# Altium PCB eva01.PcbDoc (part 4 of 4)
Units mm, origin at the board's own origin, x right, y up, seen from the top; angles counter-clockwise.
Board outline 84 x 120 mm, 4 copper layers (Top Layer, Inner, GND, Bottom Layer), stack 1.668 mm thick; 205 components, 261 nets, 1028 pads, 1169 vias.
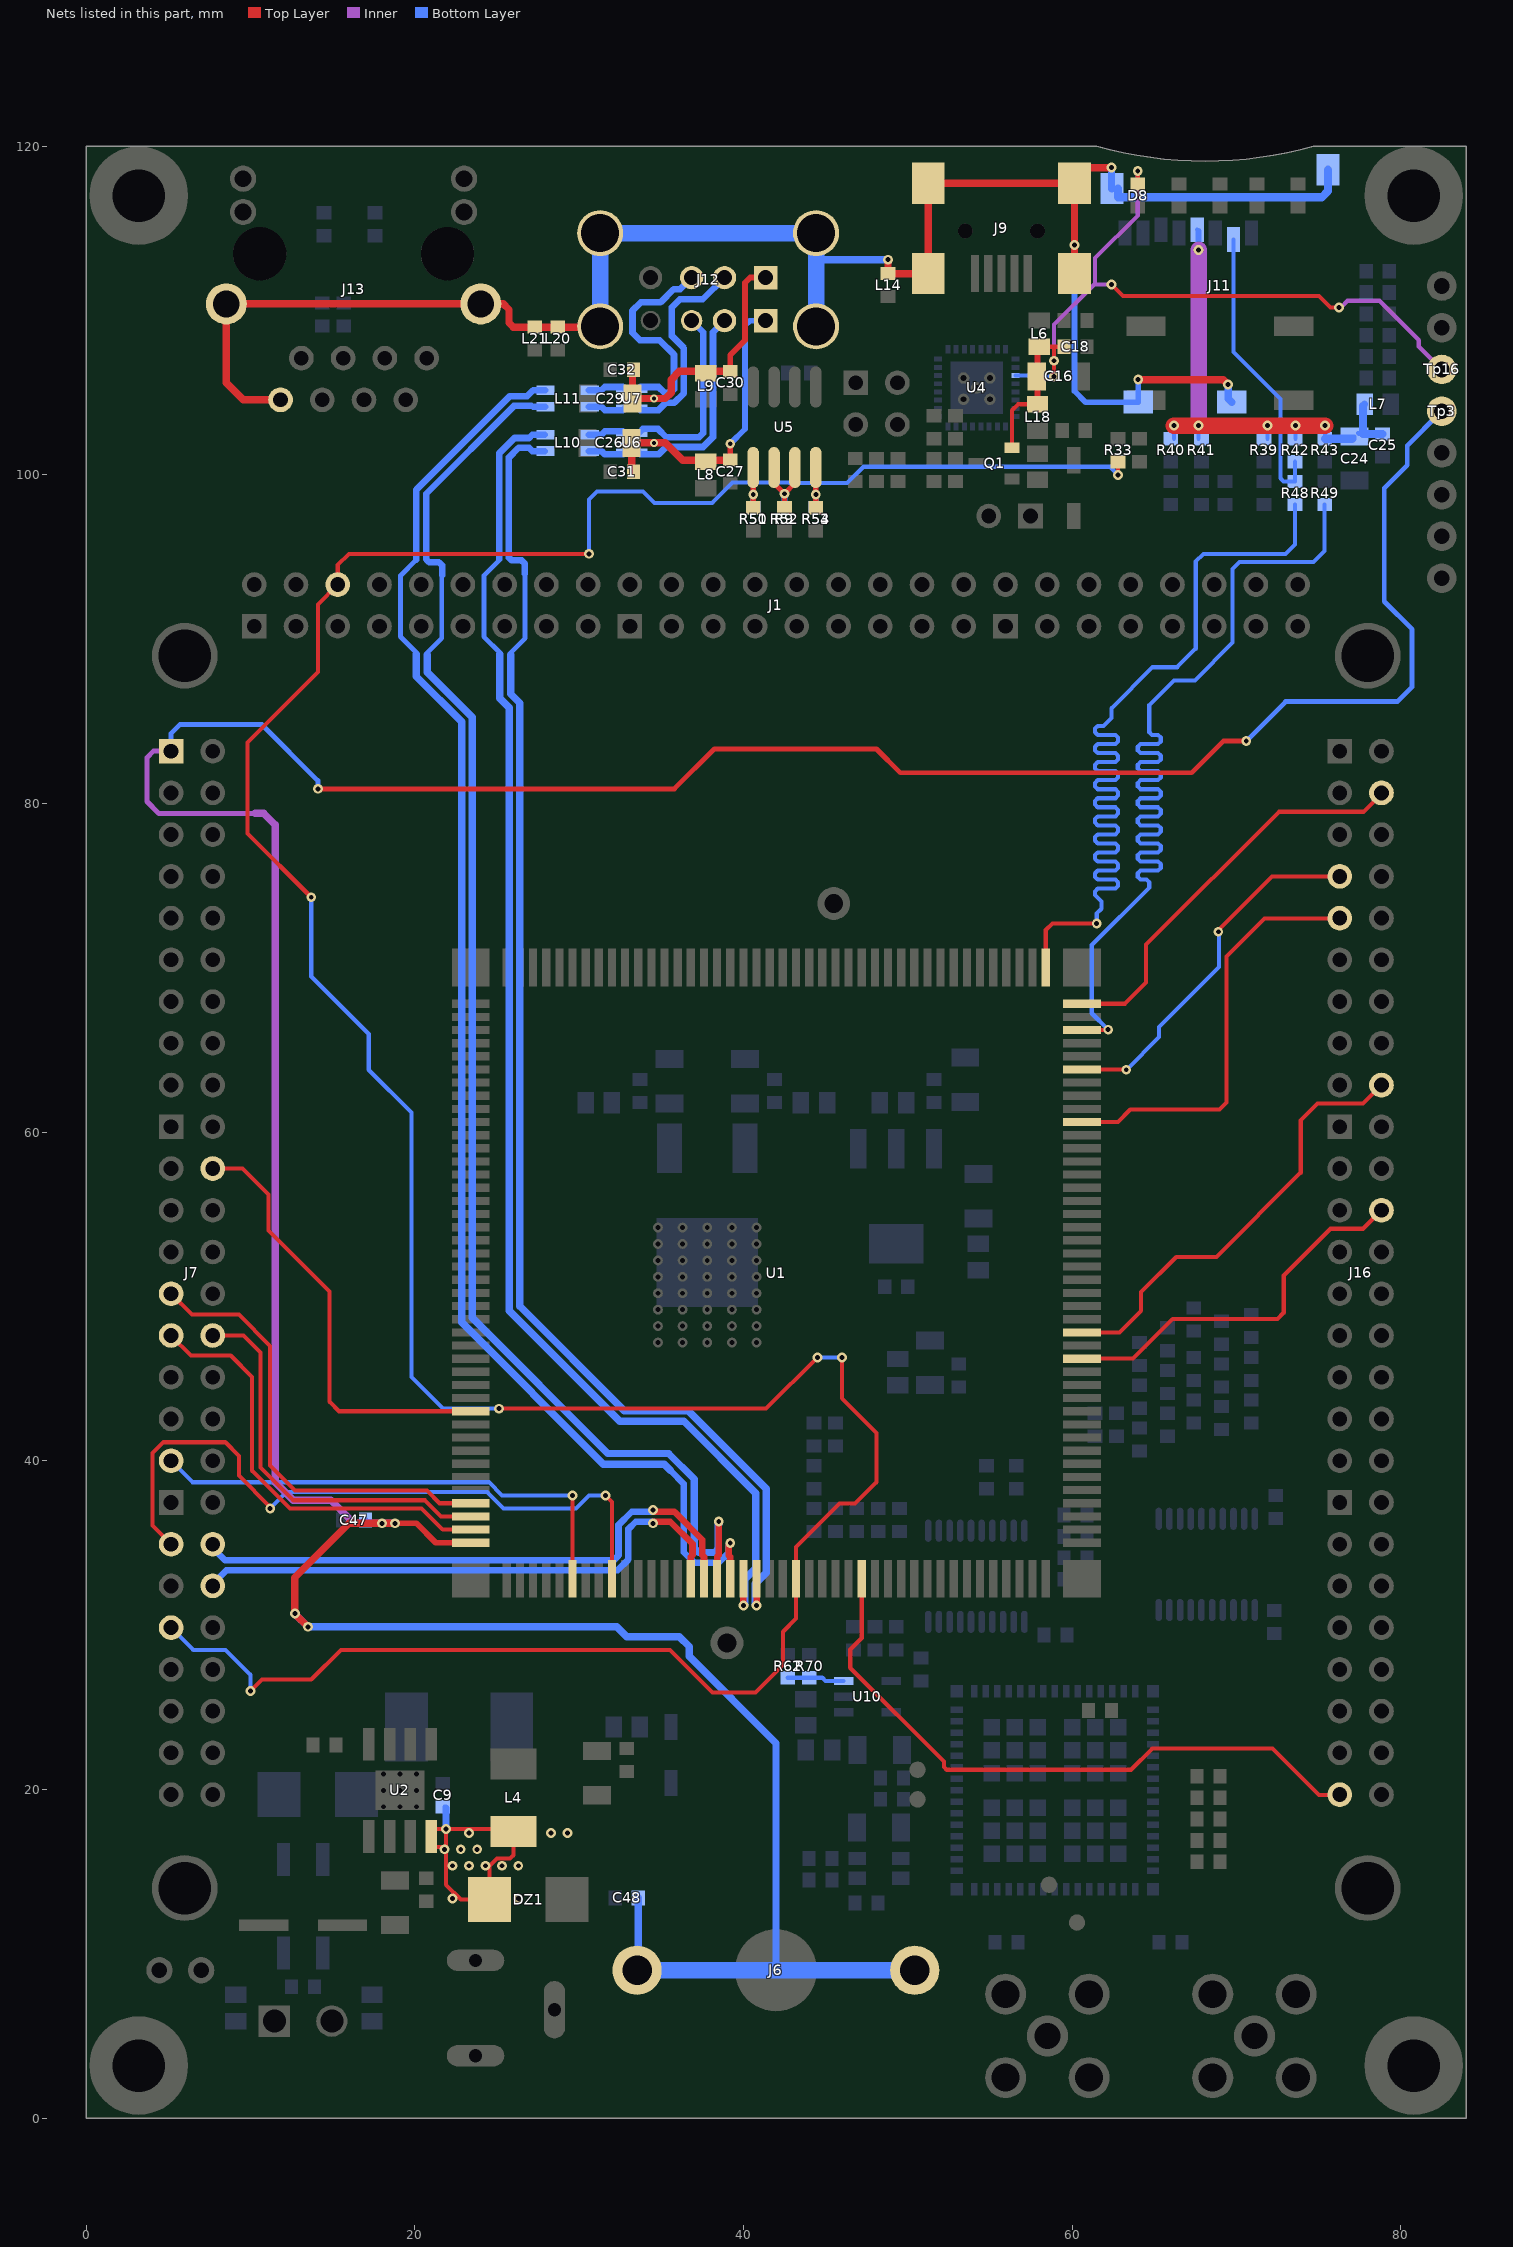
[diagram p6: the nets of this part, all layers, seen from the top]

## Via types
v1: diameter 0.6, hole 0.3, Top Layer to Bottom Layer, 1165 vias
v2: diameter 0.5, hole 0.25, Top Layer to Bottom Layer, 4 vias

## Nets (pads, with @x,y where several pads share a name; then routed paths per layer and width w, separated by ;. In a path a pad name is that pad's centre, name@x,y a point inside that pad or via, vN(x,y) a via of type N, cw(c..) or ccw(c..) an arc to the next point about the centre after c; other vN are vias at no path point) (continued)
PE22_TIOB4_MCI1_DA2_M19: R49.1 U1.40 | length 62.4
  Top Layer w0.25: U1.40@60.6,66.22 62.18,66.22 v1(62.2,66.24)
  Bottom Layer w0.25: v1(62.2,66.24) 61.2,67.24 61.2,71.4 64.7,74.9 64.7,75.21 64.535,75.375 64.165,75.375 64,75.54 64,75.76 64.165,75.925 65.235,75.925 65.4,76.09 65.4,76.31 65.235,76.475 64.165,76.475 64,76.64 64,76.86 64.165,77.025 65.235,77.025 65.4,77.19 65.4,77.41 65.235,77.575 64.165,77.575 64,77.74 64,77.96 64.165,78.125 65.235,78.125 65.4,78.29 65.4,78.51 65.235,78.675 64.165,78.675 64,78.84 64,79.06 64.165,79.225 65.235,79.225 65.4,79.39 65.4,79.61 65.235,79.775 64.165,79.775 64,79.94 64,80.16 64.165,80.325 65.235,80.325 65.4,80.49 65.4,80.71 65.235,80.875 64.165,80.875 64,81.04 64,81.26 64.165,81.425 65.235,81.425 65.4,81.59 65.4,81.81 65.235,81.975 64.165,81.975 64,82.14 64,82.36 64.165,82.525 65.235,82.525 65.4,82.69 65.4,82.91 65.235,83.075 64.165,83.075 64,83.24 64,83.46 64.165,83.625 65.235,83.625 65.4,83.79 65.4,84.01 65.235,84.175 64.865,84.175 64.7,84.34 64.7,86 66.2,87.5 67.475,87.5 69.775,89.8 69.775,94.275 70.2,94.7 74.7,94.7 75.375,95.375 R49.1@75.375,98.2
PE23_MCI1_DA3: J11.2 R42.2 R48.2 | length 17.9
  Bottom Layer w0.25: J11.2@69.815,114.325 69.815,107.492 72.675,104.632 72.675,99.8 72.875,99.6 R48.2@73.575,99.6 R42.2@73.575,100.8
PE23_TCLK4_MCI_DA3_L18: R48.1 U1.43 | length 62.1
  Top Layer w0.25: U1.43@58.4,70.02 58.4,72.3 58.8,72.7 v1(61.5,72.7)
  Bottom Layer w0.25: v1(61.5,72.7) 61.5,73.3 61.8,73.6 61.8,74.04 61.4,74.44 61.4,74.66 61.565,74.825 62.635,74.825 62.8,74.99 62.8,75.21 62.635,75.375 61.565,75.375 61.4,75.54 61.4,75.76 61.565,75.925 62.635,75.925 62.8,76.09 62.8,76.31 62.635,76.475 61.565,76.475 61.4,76.64 61.4,76.86 61.565,77.025 62.635,77.025 62.8,77.19 62.8,77.41 62.635,77.575 61.565,77.575 61.4,77.74 61.4,77.96 61.565,78.125 62.635,78.125 62.8,78.29 62.8,78.51 62.635,78.675 61.565,78.675 61.4,78.84 61.4,79.06 61.565,79.225 62.635,79.225 62.8,79.39 62.8,79.61 62.635,79.775 61.565,79.775 61.4,79.94 61.4,80.16 61.565,80.325 62.635,80.325 62.8,80.49 62.8,80.71 62.635,80.875 61.565,80.875 61.4,81.04 61.4,81.26 61.565,81.425 62.635,81.425 62.8,81.59 62.8,81.81 62.635,81.975 61.565,81.975 61.4,82.14 61.4,82.36 61.565,82.525 62.635,82.525 62.8,82.69 62.8,82.91 62.635,83.075 61.565,83.075 61.4,83.24 61.4,83.46 61.565,83.625 62.635,83.625 62.8,83.79 62.8,84.01 62.635,84.175 61.565,84.175 61.4,84.34 61.4,84.56 61.565,84.725 61.925,84.725 62.4,85.2 62.4,85.8 64.9,88.3 66.4,88.3 67.525,89.425 67.525,94.725 68,95.2 73,95.2 73.575,95.775 R48.1@73.575,98.2
PE24_RTS3_L19: J16.9 U1.33 | length 26
  Top Layer w0.25: U1.33@60.6,60.62 62.787,60.62 63.542,61.375 68.975,61.375 69.4,61.8 69.4,70.7 71.71,73.01 76.27,73.01 J16.9@76.29,73.03
PE25_SCK4_IRQ_M17: J16.7 U1.37 | length 22.6
  Top Layer w0.25: U1.37@60.6,63.82 63.28,63.82 v1(63.3,63.8) ; v1(68.9,72.2) 68.9,72.3 72.17,75.57 J16.7@76.29,75.57
  Bottom Layer w0.25: v1(63.3,63.8) 65.3,65.8 65.3,66.4 68.946,70.046 68.946,72.346 68.9,72.3 v1(68.9,72.2)
PE26_RXD4_L15: J16.24 U1.15 | length 23.3
  Top Layer w0.25: U1.15@60.6,46.22 63.72,46.22 66.125,48.625 72.494,48.625 72.884,49.016 72.884,51.291 75.718,54.125 77.705,54.125 J16.24@78.83,55.25
PE27_TXD4_M16: J16.18 U1.17 | length 27
  Top Layer w0.25: U1.17@60.6,47.82 62.887,47.82 64.2,49.133 64.2,50.271 66.34,52.411 68.789,52.411 73.915,57.536 73.915,60.715 74.945,61.745 77.705,61.745 J16.18@78.83,62.87
PE28_RTS4_L17: J16.4 U1.42 | length 24.9
  Top Layer w0.25: U1.42@60.6,67.82 63.22,67.82 64.5,69.1 64.5,71.414 72.586,79.5 77.74,79.5 J16.4@78.87,80.63
PE29_DIBP_URXD0_TWD1_V1: J7.27 U1.123 | length 27.8
  Top Layer w0.25: J7.27@5.17,50.17 6.44,48.9 9.3,48.9 11.2,47 11.2,39.714 12.714,38.2 20.734,38.2 21.514,37.42 U1.123@23.4,37.42
PE30_DIBN_UTXD0_TWCK1_U2: J7.29 U1.125 | length 26.5
  Top Layer w0.25: J7.29@5.17,47.61 6.38,46.4 8.8,46.4 10.1,45.1 10.1,39.4 12.4,37.1 20.42,37.1 21.7,35.82 U1.125@23.4,35.82
PE31_ADTRG_L4: J7.22 U1.116 | length 27
  Top Layer w0.25: J7.22@7.71,57.79 9.51,57.79 11.1,56.2 11.1,54.014 14.8,50.314 14.8,43.6 15.38,43.02 U1.116@23.4,43.02
PIOBU0_U3: J7.39 U1.135 | length 42.7
  Top Layer w0.25: J7.39@5.17,34.93 4.045,36.055 4.045,40.476 4.704,41.135 8.465,41.135 9.3,40.3 9.3,39.1 11.2,37.2 v1(11.2,37.1) ; v1(31.6,37.9) 32,37.5 U1.135@32,32.82
  Bottom Layer w0.25: v1(11.2,37.1) 12.2,38.1 24.407,38.1 25.407,37.1 29.8,37.1 30.6,37.9 v1(31.6,37.9)
PIOBU1: J16.51 U1.154 | length 40
  Top Layer w0.25: U1.154@47.2,32.82 47.2,31.3 47.2,29.225 46.5,28.525 46.5,27.407 52.2,21.707 52.2,21.372 52.372,21.2 58.723,21.2 63.583,21.2 64.883,22.5 72.2,22.5 75.03,19.67 76.27,19.67 J16.51@76.29,19.69
RESET: J1.6 J7.43 R33.2 U1.149 | length 202.3
  Top Layer w0.25: v1(10,26) 10.7,26.7 13.7,26.7 15.5,28.5 35.528,28.5 38.128,25.9 40.731,25.9 42.4,27.569 42.4,29.6 43.2,30.4 U1.149@43.2,32.82 43.2,34.755 45.845,37.4 46.8,37.4 48.1,38.7 48.1,41.707 46,43.807 v1(46,46.3) ; v1(13.7,74.3) 9.825,78.175 9.825,83.725 14.1,88 14.1,92.12 J1.6@15.31,93.33 15.31,94.51 16,95.2 v1(30.6,95.2) ; v1(25.125,43.175) 41.375,43.175 v1(44.5,46.3) ; v1(62.8,100) R33.2@62.8,100.8
  Bottom Layer w0.25: J7.43@5.17,29.85 6.52,28.5 8.48,28.5 10,26.98 v1(10,26) ; v1(13.7,74.3) 13.7,69.478 17.2,65.978 17.2,63.8 19.8,61.2 19.8,45.1 21.725,43.175 v1(25.125,43.175) ; v1(30.6,95.2) 30.6,98.5 31.1,99 33.9,99 34.6,98.3 38.1,98.3 39.33,99.53 42.78,99.53 42.81,99.5 46.3,99.5 47.3,100.5 62.3,100.5 v1(62.8,100) ; v1(44.5,46.3) v1(46,46.3)
SHDN_T2: J7.30 U1.124 | length 24.3
  Top Layer w0.25: J7.30@7.71,47.63 9.57,47.63 10.6,46.6 10.6,39.607 12.607,37.6 20.627,37.6 21.607,36.62 U1.124@23.4,36.62
SHLD: J9.Z1 J9.Z2 J9.Z3 J9.Z4 J11.Z1 J11.Z2 J11.Z3 J11.Z4 J12.Z1 J12.Z2 J12.Z3 J12.Z4 J13.8 J13.15 J13.16 L14.1 L20.1 L21.1 | length 125
  Top Layer w0.25: J12.Z2@31.24,109 J12.Z2@31.28,109.04
  Top Layer w0.45: J13.8@11.83,104.57 9.565,104.57 8.53,105.605 J13.15@8.53,110.41 J13.16@24.02,110.41 25.39,110.41 25.733,110.067 25.733,109.267 26,109 L21.1@27.3,109 L20.1@28.7,109 J12.Z2@31.24,109 ; v1(48.8,113.1) L14.1@48.8,112.25 J9.Z2@51.25,112.25 J9.Z3@51.25,117.75 J9.Z4@60.15,117.75 ; J9.Z1@60.15,112.25 v1(60.15,114) J9.Z4@60.15,117.75 ; v1(62.4,118.7) 60.15,118.7 J9.Z4@60.15,117.75 ; v1(64.025,105.8) 69.2,105.8 v1(69.5,105.5)
  Bottom Layer w0.35: v1(60.15,114) 60.15,105.1 60.825,104.425 J11.Z4@64.025,104.425 v1(64.025,105.8)
  Bottom Layer w0.45: 44.42,113.1 v1(48.8,113.1) ; v1(62.4,118.7) 62.4,117.45 J11.Z2@62.425,117.425 ; v1(69.5,105.5) 69.5,104.64 J11.Z3@69.715,104.425
  Bottom Layer w0.5: J11.Z2@62.8,117.425 62.8,116.9 75.2,116.9 75.575,117.275 J11.Z1@75.575,118.575
  Bottom Layer w1: J12.Z4@31.25,114.68 J12.Z4@31.28,114.71 ; J12.Z4@31.25,114.78 31.28,114.75 J12.Z4@31.28,114.72 J12.Z4@31.28,114.71 ; J12.Z2@31.28,109.04 J12.Z4@31.28,114.71 ; J12.Z4@31.29,114.72 J12.Z3@44.42,114.72 44.42,113.1 J12.Z1@44.42,109.04
SW_5V: C9.2 DZ1.1 L4.1 U2.8 | length 20.3
  Top Layer w0.25: U2.8@20.9,16.5 v1@21.9,16.5 ; U2.8@21.005,17.15 21.005,17.555 21.05,17.6 v1(21.9,17.6) ; v1@21.9,17.7 v1(21.9,17.6) ; L4.1@26.349,17.1 L4.1@26,17.45 ; v1@21.9,16.5 v1(21.9,17.6) ; v1@21.9,16.5 21.9,14.2 22.8,13.3 DZ1.1@24.55,13.3 24.55,15.351 24.7,15.5 25,15.8 25.8,15.8 26,16 L4.1@26,17.45 ; v1(21.9,17.6) 25.85,17.6 L4.1@26,17.45
  Bottom Layer w0.25: C9.2@21.8,18.95 C9.2@21.9,18.85 ; v1(21.9,17.6) 21.8,17.6 v1@21.9,17.7
  Bottom Layer w0.45: v1@21.9,17.7 C9.2@21.9,18.85
  other v1: 22.299,13.359 26.299,13.359 22.299,15.359 23.299,15.359 24.299,15.359 25.299,15.359 26.299,15.359 21.799,16.359 22.799,16.359 23.799,16.359 23.299,17.359 28.299,17.359 29.299,17.359
U1_N: J12.A2 L10.2 U6.1 U6.6 | length 15.6
  Bottom Layer w0.4: L10.2@30.6,101.45 L10.2@30.65,101.45 31.36,101.45 31.56,101.25 32.5,101.25 32.663,101.25 32.682,101.268 32.863,101.45 33.537,101.45 33.718,101.268 33.737,101.25 33.9,101.25 34.84,101.25 35.29,101.7 37.549,101.7 38.15,102.301 38.15,108.69 J12.A2@38.85,109.39
U1_P: J12.A3 L10.3 U6.3 U6.4 | length 14.7
  Bottom Layer w0.4: L10.3@30.6,102.45 L10.3@30.65,102.45 31.36,102.45 31.56,102.65 32.5,102.65 32.663,102.65 32.682,102.632 32.863,102.45 33.537,102.45 33.718,102.632 33.887,102.8 33.9,102.8 34.8,102.8 35.3,102.3 37.3,102.3 37.55,102.55 37.55,108.69 J12.A3@36.85,109.39
U2_N: J12.B2 L11.2 U7.1 U7.6 | length 15.9
  Bottom Layer w0.4: L11.2@30.6,104.15 L11.2@30.65,104.15 31.36,104.15 31.56,103.95 32.5,103.95 32.663,103.95 32.682,103.968 32.863,104.15 33.537,104.15 33.718,103.968 33.737,103.95 33.9,103.95 34.84,103.95 35.29,104.4 35.8,104.4 36.376,104.976 36.376,107.723 35.65,108.449 35.65,110.2 36.14,110.69 37.53,110.69 J12.B2@38.85,112.01
U2_P: J12.B3 L11.3 U7.3 U7.4 | length 16.6
  Bottom Layer w0.4: L11.3@30.6,105.15 L11.3@30.65,105.15 31.36,105.15 31.56,105.35 32.5,105.35 32.663,105.35 32.682,105.332 32.863,105.15 33.537,105.15 33.718,105.332 33.737,105.35 33.9,105.35 34.84,105.35 35.19,105 35.551,105 35.776,105.224 35.776,107.324 34.9,108.2 33.7,108.2 33.25,108.65 33.25,110 33.75,110.5 34.95,110.5 35.75,111.3 36.14,111.3 J12.B3@36.85,112.01
USB1_EN: R50.2 R51.2 U5.1 | length 3.3
  Top Layer w0.35: U5.1@40.595,100.45 40.6,100.445 R51.2@40.6,98
  Bottom Layer w0.35: R50.2@40.6,98 v1(40.6,98.8)
USB1_N: L11.1 U1.143 | length 91.2
  Top Layer w0.4: U1.143@38.4,32.82 38.4,34.17 38.5,34.27 38.5,35.8 ; 38.5,34.97 38.5,35.8 ; v1(38.5,36.3) 38.5,36.1 38.5,35.8
  Bottom Layer w0.3: 20.75,89.07 20.7,89.12 21.64,90.06 21.64,93.868
  Bottom Layer w0.4: 21.67,93.888 21.67,94.488 21.47,94.688 20.87,94.688 20.7,94.858 20.7,98.86 26.04,104.2 27.099,104.2 ; 27.2,104.15 L11.1@27.95,104.15
  Bottom Layer w0.45: 20.75,89.07 20.75,88 23.5,85.25 23.5,48.7 31.75,40.45 35.444,40.45 37,38.894 37,34.7 37.275,34.425 38.241,34.425 38.475,34.659 38.475,36.125 38.5,36.15 v1(38.5,36.3)
USB1_P: L11.4 U1.144 | length 90.9
  Top Layer w0.4: U1.144@39.2,32.82 39.2,34.17 39.1,34.27 39.1,34.9 v1(39.2,35)
  Bottom Layer w0.3: 20.1,89.08 20.15,89.13 19.128,90.152 19.128,93.872 20.1,94.843
  Bottom Layer w0.4: 20.1,94.843 20.1,99.109 25.791,104.8 26.85,104.8 27.2,105.15 L11.4@27.95,105.15 ; 35.552,39.423 36.375,38.6 36.375,34.441 37.016,33.8 38.5,33.8 39.1,34.4 39.1,34.9 v1(39.2,35)
  Bottom Layer w0.45: 20.1,89.08 20.1,87.731 22.85,84.981 22.85,48.431 31.481,39.8 35.175,39.8 35.552,39.423
USB2_EN: R53.2 R54.2 U5.4 | length 3.2
  Top Layer w0.35: R54.2@44.405,98.005 U5.4@44.405,100.45
  Bottom Layer w0.35: R53.2@44.405,98.005 v1(44.405,98.805)
USB2_N: L10.1 U1.146 | length 84.2
  Top Layer w0.4: v1(40.8,31.2) U1.146@40.8,32.82
  Bottom Layer w0.3: 25.83,89.07 25.78,89.12 26.72,90.06 26.72,94
  Bottom Layer w0.4: 26.7,94 26.7,94.6 26.5,94.8 25.9,94.8 25.73,94.97 25.73,101.062 26.318,101.65 26.95,101.65 27.15,101.45 L10.1@27.9,101.45
  Bottom Layer w0.45: 25.83,89.07 25.83,86.67 26.4,86.1 26.4,49.4 32.75,43.05 36.65,43.05 41.4,38.3 41.4,33.2 40.725,32.525 40.725,31.275 v1(40.8,31.2)
USB2_P: L10.4 U1.145 | length 84.8
  Top Layer w0.4: v1(40,31.2) U1.145@40,32.82
  Bottom Layer w0.3: 25.18,89.08 25.23,89.13 24.208,90.152 24.208,93.872 25.18,94.843
  Bottom Layer w0.4: 25.13,94.858 25.13,101.31 26.07,102.25 26.95,102.25 27.15,102.45 L10.4@27.9,102.45
  Bottom Layer w0.45: 25.18,89.08 25.18,86.401 25.75,85.831 25.75,49.131 32.481,42.4 36.381,42.4 40.75,38.031 40.75,33.469 40.075,32.794 40.075,31.275 v1(40,31.2)
USB_OTG_N: J7.42 U1.141 | length 34.8
  Top Layer w0.4: v1(34.5,36.2) 34.6,36.3 35.551,36.3 36.9,34.951 36.9,34.27 36.8,34.17 U1.141@36.8,32.82
  Bottom Layer w0.4: J7.42@7.71,32.39 7.71,32.51 8.54,33.34 32.34,33.34 33,34 33,35.851 33.449,36.3 34.4,36.3 v1(34.5,36.2)
USB_OTG_P: J7.40 U1.142 | length 35.9
  Top Layer w0.4: v1(34.5,37) 34.6,36.9 35.8,36.9 37.5,35.2 37.5,34.27 37.6,34.17 U1.142@37.6,32.82
  Bottom Layer w0.4: J7.40@7.71,34.93 7.71,34.69 8.46,33.94 32.091,33.94 32.4,34.249 32.4,36.1 33.2,36.9 34.4,36.9 v1(34.5,37)
USB_OVCUR: R9.2 R52.2 U5.2 U5.3 | length 5.4
  Top Layer w0.3: U5.2@41.865,100.45 41.865,99.49 v1(42.5,98.855) ; R52.2@42.5,98 v1(42.5,98.855) ; U5.3@43.135,100.45 43.135,99.49 v1(42.5,98.855)
  Bottom Layer w0.35: R9.2@42.5,98.055 v1(42.5,98.855)
VBATT: C47.2 C48.2 J6.P1 J6.P2 J7.1 Tp3.1 U1.126 | length 247.7
  Top Layer w0.3: v1(14.1,80.9) 35.8,80.9 38.225,83.325 48.096,83.325 49.546,81.875 67.275,81.875 69.2,83.8 v1(70.6,83.8)
  Top Layer w0.35: v1(18.8,36.2) 20.1,36.2 21.28,35.02 U1.126@23.4,35.02
  Top Layer w0.45: v1(13.5,29.9) v1(12.7,30.7) 12.7,32.9 16,36.2 v1(18,36.2) v1(18.8,36.2)
  Inner w0.3: J7.1@5.17,83.19 4.09,83.19 3.7,82.8 3.7,80.123 4.423,79.4 10.3,79.4
  Inner w0.45: 10.3,79.4 10.8,79.4 11.5,78.7 11.5,38.707 12.607,37.6 14.9,37.6 16.3,36.2 v1(18,36.2) v1(18.8,36.2)
  Bottom Layer w0.3: J7.1@5.17,83.19 5.17,84.27 5.7,84.8 10.7,84.8 14.1,81.4 v1(14.1,80.9) ; v1(70.6,83.8) 73,86.2 79.8,86.2 80.7,87.1 80.7,90.6 79,92.3 79,99.2 80.4,100.6 80.4,101.78 Tp3.1@82.395,103.775 ; Tp3.1@82.395,103.775 Tp3.1@82.5,103.88 82.5,103.775 Tp3.1@82.395,103.775
  Bottom Layer w0.35: C47.2@17,36.4 17.2,36.2 v1(18,36.2)
  Bottom Layer w0.45: v1(12.7,30.7) v1(13.5,29.9) 32.3,29.9 32.9,29.3 36.1,29.3 36.7,28.7 36.7,28.1 41.98,22.82 41.98,9 ; J6.P2@33.53,9 33.6,9.07 C48.2@33.6,13.4
  Bottom Layer w1: J6.P2@33.53,9 41.98,9 J6.P1@50.43,9
VBUS1: C26.1 C27.1 C31.2 J12.A1 L8.1 U6.5 | length 19.2
  Top Layer w0.25: J12.A1@41.15,109.19 J12.A1@41.35,109.39
  Top Layer w0.35: C27.1@39.2,100.9 v1(39.2,101.9)
  Top Layer w0.45: C31.2@33.3,100.2 33.2,100.3 C26.1@33.2,101.95 v2(34.55,101.95) 35.25,101.95 36.3,100.9 C27.1@39.2,100.9
  Bottom Layer w0.25: U6.5@33.85,101.95 v2(34.55,101.95)
  Bottom Layer w0.35: v1(39.2,101.9) 40.1,102.8 40.1,109.1 40.39,109.39 J12.A1@41.35,109.39
VBUS2: C29.1 C30.1 C32.2 J12.B1 L9.1 U7.5 | length 16.7
  Top Layer w0.35: C30.1@39.2,106.3 39.2,107.3 40.1,108.2 40.1,111.7 40.41,112.01 J12.B1@41.35,112.01
  Top Layer w0.45: C32.2@33.3,106.4 33.25,106.35 C29.1@33.25,104.65 v2(34.55,104.65) 35.25,104.65 35.6,105 35.6,105.8 36.1,106.3 C30.1@39.2,106.3
  Bottom Layer w0.25: U7.5@33.85,104.65 v2(34.55,104.65)
VCC_USB: C16.1 C18.1 D8.1 L6.1 L18.2 Q1.2 Tp16.1 U4.19 | length 51.6
  Top Layer w0.25: Q1.2@56.338,101.65 56.338,103.938 56.7,104.3 L18.2@57.9,104.3 ; L6.1@58,107.8 58.9,107.8 ; v1(58.9,106) v1(58.9,106.95) 58.9,107.8 ; C18.1@59.5,107.8 58.9,107.8 ; v1(62.4,111.6) 63.1,110.9 75.022,110.9 75.722,110.2 v1(76.256,110.2) ; D8.1@64,117.7 v1(64,118.5)
  Top Layer w0.35: C16.1@57.85,106 C16.1@57.9,106.05 ; L18.2@57.9,104.3 C16.1@57.9,106.05 ; L6.1@58,107.8 57.9,107.7 C16.1@57.9,106.05
  Inner w0.25: v1(58.9,106.95) 58.9,109.15 61.35,111.6 61.4,111.6 ; v1(62.4,111.6) 61.4,111.6 ; v1(64,118.5) 64,115.8 61.4,113.2 61.4,111.6 ; v1(76.256,110.2) 76.354,110.2 76.755,110.6 78.7,110.6 81.1,108.2 81.1,107.82 Tp16.1@82.5,106.42
  Bottom Layer w0.25: U4.19@56.55,106.05 57.9,106.05 57.95,106 v1(58.9,106)
VDD_SD: C24.1 C25.1 J11.4 L7.2 R39.1 R40.1 R41.1 R42.1 R43.1 | length 30.4
  Top Layer w1: v1(66.2,103) v1(67.7,103) v1(71.9,103) v1(73.6,103) v1(75.4,103)
  Inner w1: v1(67.7,103) v1(67.7,113.7)
  Bottom Layer w0.25: R40.1@66.2,102.2 v1(66.2,103) ; J11.4@67.615,114.925 J11.4@67.7,114.84 ; R41.1@67.7,102.2 v1(67.7,103) ; v1(67.7,113.7) 67.63,113.7 v1@67.7,113.77 ; R39.1@71.9,102.2 v1(71.9,103) ; R42.1@73.6,102.2 v1(73.6,103) ; R43.1@75.375,102.2 75.4,102.2 v1(75.4,103) ; C24.1@77.05,102.2 C24.1@77.2,102.35 ; C24.1@77.4,102.55 77.45,102.5 C24.1@77.7,102.5
  Bottom Layer w0.35: v1@67.7,113.77 J11.4@67.7,114.84
  Bottom Layer w0.45: L7.2@77.7,104.2 L7.2@77.8,104.3
  Bottom Layer w0.5: R43.1@75.4,102.2 C24.1@77.05,102.2 ; C24.1@77.7,102.5 L7.2@77.7,104.2 ; C24.1@77.8,102.5 C25.1@78.9,102.5
WKUP_V3: J7.35 U1.132 | length 30.4
  Top Layer w0.25: U1.132@29.575,32.845 U1.132@29.6,32.82 v1(29.6,37.9)
  Bottom Layer w0.25: J7.35@5.17,40.01 6.48,38.7 24.514,38.7 25.314,37.9 v1(29.6,37.9)
WLAN_PWR: R62.2 R70.2 U10.3 | length 3.5
  Bottom Layer w0.25: R62.2@42.7,26.8 R70.2@44,26.8 44.8,26.8 45,26.6 U10.3@46.1,26.6
pads on no net: J9. J9.4 J13.7 J13.13 J13.14 R10.1 U1.82 U1.83 U1.84 U1.85 U1.86 U1.87 U1.88 U1.89 U1.90 U1.91 U1.92 U1.H U2.2 U2.5 U4.3 U4.5 U4.6 U4.7 U4.8 U4.9 U4.10 U4.12 U4.13 U4.18 U4.21 U4.22 U4.23 U4.25 U4.27 U4.28 U4.29 U4.31 U4.32 U9.2 U9.3 U9.4 U9.5 U9.21 U9.22 U9.25 U9.56 U9.57 U9.58 U9.60 U9.62

## Polygon pours and split planes (outlines as drawn)
GND on Top Layer "gnd" (solid, remove dead copper, pour order 76): 0.2,0.2 83.8,0.2 83.8,119.8 75,119.8 cw(c68.151,143.473) 61.3,119.8 0.2,119.8
VCC_USB on Top Layer "vusb" (solid, remove dead copper, pour order 71): 56.3,108.6 60.1,108.6 60.2,108.5 60.2,103.9 59.9,103.6 57.2,103.6 57,103.4 57,103.2 57,101.2 56.9,101.1 56,101.1 55.9,101.1 55.8,101.2 55.8,108.1
+3.3V_MOD on Top Layer "+3.3v_mod" (solid, remove dead copper, pour order 72): 48.6,44.1 48.6,43.5 48.6,43 48.9,42.7 49.4,42.7 50,42.7 50.3,42.7 50.6,42.4 50.6,36.9 52.1,35.4 52.8,34.7 52.8,31.7 55.3,31.7 55.3,36 55.1,36.2 52.8,38.5 52.8,42 52.8,42.3 53.2,42.7 53.7,42.7 53.9,42.9 54,43 54,44 54,44.1 53.8,44.3 48.8,44.3
+24V on Top Layer "+24v" (solid, remove dead copper, pour order 75): 8,10 13.2,10 13.2,13.1 21.3,13.1 21.3,18.5 14.1,18.5 14.1,21.8 6.44,21.8 6.44,17 8,17
+5V_OUT on Top Layer "+5v_out" (solid, remove dead copper, pour order 74): 34,26.4 34,19.7 21.1,19.7 21.1,19.9 21.1,26.4
SW_5V on Top Layer "sw" (solid, remove dead copper, pour order 73): 20.7,19.4 20.7,11.2 26.9,11.2 26.9,15 27.9,16 29.6,16 29.6,19.4
GND on Inner "gnd" (solid, remove dead copper, pour order 79): 32.5,55.5 43,55.5 43,44.5 32.75,44.5 32.5,44.75
GND on Inner "gnd" (solid, remove dead copper, pour order 81): 51.75,27.25 66,27.25 66.25,27 66.25,9.75 51.75,9.75
+3.3V on Inner "+3.3v" (solid, remove dead copper, pour order 84): 38.75,17.5 45,17.5 45,34 45.25,34.25 48.5,34.25 48.75,34.5 48.75,37.25 48.75,38 53.25,38 53.25,44.25 53.25,53.25 53.5,53.5 57,53.5 58.5,53.5 59,53 59,44.25 58.5,43.75 57.75,43 57.75,38.75 57.75,36 58.75,35 59.75,34 73.75,34 79.25,34 80,34.75 80,96.25 81.25,97.5 83.8,97.5 83.8,100 83.8,112.45 83.75,112.5 76.5,112.5 76.5,97.5 75.25,96.25 52.5,96.25 51.5,97.25 41.5,97.25 41.25,97 40.25,96 37.75,96 37.75,18.5
+3.3V on Inner "+3.3v" (solid, remove dead copper, pour order 82): 33.75,97.75 33.75,99 27,99 27,108.25 6.44,108.25 6.44,92.06 11.75,92.06 11.75,97.75
+5V on Inner "+5v" (solid, remove dead copper, pour order 85): 37.5,17.5 38.25,17.5 38.75,18 38.75,27 38.75,94.75 40.25,96.25 41.25,97.25 51.25,97.25 52.75,95.75 54.5,95.75 56.25,95.75 56.75,96.25 56.75,103.5 56.5,103.75 56.25,104 51.25,104 50.75,104.5 50.75,108 50.5,108.25 36.75,108.25 27,108.25 27,97.8 2.5,97.8 2.5,96.25 2.5,18.5 3.5,17.5
+5V_OUT on Inner "+5v_out" (solid, remove dead copper, pour order 78): 34,26.9 34,19.7 21.1,19.7 21.1,19.9 21.1,26.9
SW_5V on Inner "sw" (solid, remove dead copper, pour order 77): 20.1,19.5 20.1,11.2 26.9,11.2 26.9,15 27.9,16 29.6,16 29.6,19.5
+24V on Inner "+24v" (solid, remove dead copper, pour order 80): 8,10 13.2,10 13.2,13.1 21.3,13.1 21.3,18.5 14.1,18.5 14.1,21.8 6.44,21.8 6.44,17 8,17
+1.8V on Inner "+1.8V" (solid, remove dead copper, pour order 83): 79.75,90.75 80.2,33.594 65.55,33.65 65.55,35.6 58.9,35.6 58.9,52.6 52.1,52.6 52.1,50.1 53.4,50.1 53.4,38 48.25,38 48.25,18.3 47.25,17.3 47.25,14.5 48,13.75 82.4,13.75 82.5,97.75 77.56,97.75 77.56,92.94
GND on Inner "gnd" (solid, remove dead copper, pour order 86): 0.2,0.2 83.8,0.2 83.8,119.8 75,119.8 cw(c68.151,143.473) 61.3,119.8 0.2,119.8
VCC_USB on Bottom Layer "vusb" (solid, remove dead copper, pour order 87): 56.3,108.6 60.1,108.6 60.2,108.5 60.2,103.9 59.9,103.6 57.2,103.6 57,103.4 57,103.2 57,101.2 56.9,101.1 56,101.1 55.9,101.1 55.8,101.2 55.8,108.1
+5V_OUT on Bottom Layer "+5v_out" (solid, remove dead copper, pour order 90): 34,26.9 34,19.7 21.1,19.7 21.1,19.9 21.1,26.9
SW_5V on Bottom Layer "sw" (solid, remove dead copper, pour order 89): 20.1,19.5 20.1,11.2 26.9,11.2 26.9,15 27.9,16 29.6,16 29.6,19.5
+24V on Bottom Layer "+24v" (solid, remove dead copper, pour order 92): 8,10 13.2,10 13.2,13.1 20,13.1 20,18.5 14.1,18.5 14.1,21.8 6.44,21.8 6.44,17 8,17
NetC50_1 on Bottom Layer "+1.8_pre" (solid, remove dead copper, pour order 88): 48.2,60.5 50.8,60.5 50.8,57.2 51,57 52.1,57 52.5,56.6 53.5,55.6 55.3,55.6 55.3,52.4 53.2,52.4 52.9,52.1 52.9,50.3 52.4,49.8 49.7,49.8 49.6,49.9 49.4,50.1 49.4,51.3 49.2,51.5 45.8,51.5 45.8,56.3 46.1,56.6 46.5,57 47.9,57 48.2,57.3
SW_5V on Bottom Layer "sw" (solid, remove dead copper, pour order 91): 25.5,11 32,11 32,19.7 21.5,19.7 21.1,19.7 21.1,11
GND on Bottom Layer "gnd" (solid, remove dead copper, pour order 93): 0.2,0.2 83.8,0.2 83.8,119.8 75,119.8 cw(c68.151,143.473) 61.3,119.8 0.2,119.8
+3.3V on GND (split plane): 50.648,96.102 47.352,96.102 47.352,97.148 50.648,97.148
+1.8V on GND (split plane): 49.648,94.852 46.352,94.852 46.352,95.898 49.648,95.898
+3.3V on GND (split plane): 49.173,62.3 49.173,60.527 43.927,60.527 43.927,64.073 49.173,64.073
+5V on GND (split plane): 37.173,18.427 34.227,18.427 34.227,20.873 37.173,20.873
+5V on GND (split plane): 31.273,59.727 28.327,59.727 28.327,63.973 31.273,63.973
+5V_OUT on GND (split plane): 33.773,25.4 33.773,21.327 29.8,21.327 29.741,21.319 29.687,21.297 29.64,21.26 29.603,21.213 29.581,21.159 29.573,21.1 29.573,18.827 22.727,18.827 22.727,19.3 22.719,19.359 22.697,19.413 22.66,19.46 22.613,19.497 22.559,19.519 22.5,19.527 21.127,19.527 21.127,25.773 33.773,25.773
SW_5V on GND (split plane): 22.273,18.6 22.281,18.541 22.303,18.487 22.34,18.44 22.387,18.403 22.441,18.381 22.5,18.373 29.573,18.373 29.573,18 29.573,16.227 28,16.227 27.941,16.219 27.887,16.197 27.84,16.16 27.803,16.113 27.781,16.059 27.773,16 27.773,11.227 22.027,11.227 22.027,15.5 22.019,15.559 21.997,15.613 21.96,15.66 21.913,15.697 21.859,15.719 21.8,15.727 21.127,15.727 21.127,19.073 22.273,19.073
GND on GND (split plane): 83.748,0.252 0.252,0.252 0.252,119.748 61.473,119.748 61.881,119.637 62.56,119.472 63.243,119.326 63.93,119.199 64.62,119.092 65.312,119.004 66.007,118.935 66.704,118.887 67.402,118.857 68.1,118.847 68.798,118.857 69.496,118.887 70.193,118.935 70.888,119.004 71.58,119.092 72.27,119.199 72.957,119.326 73.64,119.472 74.319,119.637 74.727,119.748 83.748,119.748
+24V on GND (split plane): 13.173,18 13.173,16.4 13.181,16.341 13.203,16.287 13.24,16.24 13.287,16.203 13.341,16.181 13.4,16.173 15.5,16.173 15.559,16.181 15.613,16.203 15.66,16.24 15.697,16.287 15.719,16.341 15.727,16.4 15.727,16.473 20.673,16.473 20.673,15.5 20.681,15.441 20.703,15.387 20.74,15.34 20.787,15.303 20.841,15.281 20.9,15.273 21.573,15.273 21.573,13.827 15.627,13.827 15.627,15 15.619,15.059 15.597,15.113 15.56,15.16 15.513,15.197 15.459,15.219 15.4,15.227 13.4,15.227 13.341,15.219 13.287,15.197 13.24,15.16 13.203,15.113 13.181,15.059 13.173,15 13.173,12.8 13.173,10.227 8.327,10.227 8.327,16.9 8.319,16.959 8.297,17.013 8.26,17.06 8.213,17.097 8.159,17.119 8.1,17.127 6.667,17.127 6.667,20.673 13.173,20.673

## Other copper
GND (plane layer: these items are gaps in the copper):
  lines w0.2: 46.25,94.75 49.75,94.75 49.75,96 46.25,96 46.25,94.75 ; 47.25,96 47.25,97.25 50.75,97.25 50.75,96 47.25,96
  lines w0.45: 20.9,16.7 15.5,16.7 15.5,16.4 13.4,16.4 13.4,18 13.4,20.9 8,20.9 6.44,20.9 6.44,16.9 8.1,16.9 8.1,10 13.4,10 13.4,12.8 13.4,15 15.4,15 15.4,13.6 19.8,13.6 21.8,13.6 21.8,13.7 ; 43.7,64.3 43.7,60.3 46.5,60.3 49.4,60.3 49.4,62.3 49.4,64.3 43.8,64.3 ; 20.9,19.3 20.9,26 21.2,26 34,26 34,25.4 34,21.1 ; 20.9,19.3 20.9,15.5 21.6,15.5 21.8,15.5 21.8,11 28,11 28,16 29.8,16 29.8,18 29.8,18.6 ; 20.9,19.3 22.5,19.3 22.5,18.6 29.8,18.6 ; 29.8,18.6 29.8,21.1 32.7,21.1 34,21.1 ; 34,21.1 37.4,21.1 37.4,18.2 34,18.2 34,21.1 ; 28.1,59.5 31.5,59.5 31.5,64.2 28.1,64.2 28.1,59.5

## Silkscreen, mask and mechanical layers (free items; w line width, h text height)
Top Overlay:
  region: 61.6,29.8 63.6,31.8 63.6,29.8
  lines w0.2: 45.56,106.88 50.64,106.88 50.64,101.8 ; 50.3,108.1 56,108.1 ; 52.9,106.9 52.9,109.2 ; 61.8,34.4 62.3,34.4 ; 50.3,106.9 56,106.9 56,109.3 50.3,109.3 50.3,106.9
  lines w0.25: 56.5,103.1 56.5,102.7 56.8,102.4 ; 69.3,35 63,35 ; 63,35 64.3,35.4 64,35 64.3,34.6 63,35 ; 21.7,31.1 21.7,68.5 21.7,71.6 62.3,71.6 62.3,31.1 59,31.1 21.7,31.1 ; 61.6,29.8 63.6,29.8 63.6,31.8 61.6,29.8
  text "USB Host" at 46.1,118.8 h2.5 r270
  text "USB Serial" at 61.8,118.4 h2.5 r270
  text "TxD" at 50.7,108.4 h1.4
  text "GND" at 53.2,108.4 h1.4
  text "RxD" at 50.7,107.2 h1.4
  text "+3.3V" at 53.1,107.2 h1.4
  text "Ethernet" at 24,100.6 h3 r180
  text "EVA01-R3" at 65.197,97.13 h2.5
  text "USB Supply" at 53.51,95.99 h2 r180
  text "Top Connector" at 12,95.5 h3
  text "Evaluation Board" at 63.584,95.5 h2
  text "Right Connector" at 81.31,80.59 h3 r270
  text "Left Connector" at 3.41,67.69 h3 r90
  text "Pin 1" at 65.7,35.3 h2.5
  text "Back-up" at 38.1,20.3 h2.5
  text "Battery" at 38.1,18.5 h2.5
  text ".:DB:. Rev.C" at 73.01,16.69 h2
  text "+" at 7.9,15.1 h3
  text "Antenna" at 61.6,11.4 h3
  text "Wifi & Bluetooth" at 57.5,9.5 h3
  text "-" at 19.5,7.2 h4
  text "PWR" at 29.71,4.44 h2 r270
  text "+24 / 12V" at 9.71,-0.01 h2.4 r90
Bottom Overlay:
  circle w0.2: c45.75,16.75 r0.141
  lines w0.2: 64.9,48.5 64.9,45.4 65,45.3 ; 68.2,46.5 68.3,46.6 68.3,49.7 ; 69.9,46 70,46.1 70,49.2 ; 72.7,95.9 72.7,101 72.8,101.1 ; 74.5,95.9 74.5,100.9 74.5,101 74.6,101.1
  lines w0.35: 12.71,51.19 18.71,51.19 ; 12.71,51.69 12.71,37.69 18.71,37.69 18.71,51.69 ; 12.71,52.19 18.71,52.19 ; 12.71,56.69 12.71,50.69 18.71,50.69 18.71,56.69 ; 12.71,88.19 18.71,88.19 ; 23.21,50.19 23.21,56.19 ; 23.21,50.69 29.21,50.69 ; 23.21,51.19 29.21,51.19 ; 23.21,51.69 23.21,37.69 29.21,37.69 29.21,51.69 ; 23.21,52.19 29.21,52.19 ; 23.21,88.19 29.21,88.19 ; 29.21,49.69 29.21,55.69 ; 12.71,87.69 18.71,87.69 ; 12.71,87.69 12.71,52.69 18.71,52.69 18.71,87.69 ; 12.71,87.69 12.71,88.69 ; 12.71,88.69 18.71,88.69 ; 12.71,88.69 18.71,88.69 ; 18.71,87.69 18.71,88.69 ; 23.21,87.69 23.21,88.69 ; 23.21,87.69 23.21,52.69 29.21,52.69 29.21,87.69 ; 23.21,87.69 29.21,87.69 ; 23.21,88.69 29.21,88.69 ; 23.21,88.69 29.21,88.69 ; 29.21,87.69 29.21,88.69
  text "MicroSD" at 60.6,113.3 h2.5 r90
  text "USB <-> Serial" at 57.9,100 h2.5
  text "EVA01 Board Serial:" at 11.71,87.69 h4 r90
  text "DevelBoard Serial:" at 22.21,87.69 h4 r90
  text "Evaluation Board" at 71.9,87.345 h4 r90
  text "develboard" at 62.71,86.19 h8 r90
  text "EVA01-R3" at 68.21,84.114 h5 r90
  text "Power Supply +1.8V" at 57.21,61.19 h2.5 r90
  text "Power Supply +3.3V" at 32.1,60.4 h2.5 r90
  text "Hw Ver:" at 11.71,50.69 h4 r90
  text "Hw Ver:" at 22.21,50.69 h4 r90
  text "Wifi & Bluetooth" at 69.21,28.19 h3 r90
Bottom Solder:
  text "develboard" at 83.25,75.75 h5 r90
  text "EVA01-R3" at 83,41 h2.5 r90
  text ".:DB:. Rev.C" at 2.1,18.5 h2 r270
Outline:
  the board outline again, w0.2
Drawing:
  circle w0.15: c73.75,90.81 r1
  circle w0.15: c73.75,93.35 r1
  circle w0.15: c78.83,83.19 r1
  circle w0.15: c76.29,83.19 r1
  circle w0.15: c76.29,19.69 r1
  circle w0.15: c78.83,19.69 r1
  circle w0.15: c7.71,19.69 r1
  circle w0.15: c5.17,19.69 r1
  circle w0.15: c10.25,93.35 r1
  circle w0.15: c5.17,83.19 r1
  circle w0.15: c7.71,83.19 r1
  circle w0.15: c10.25,90.81 r1
  circle w0.1: c3.2,117 r1.6
  circle w0.1: c3.2,117 r3.2
  circle w0.1: c80.8,117 r1.6
  circle w0.1: c80.8,117 r3.2
  circle w0.1: c80.8,3.2 r1.6
  circle w0.1: c80.8,3.2 r3.2
  circle w0.1: c3.2,3.2 r1.6
  circle w0.1: c3.2,3.2 r3.2
  circle w0.1: c78,89 r3.2
  circle w0.1: c78,89 r1.6
  circle w0.1: c6,89 r1.6
  circle w0.1: c6,89 r3.2
  circle w0.1: c78,14 r1.6
  circle w0.1: c78,14 r3.2
  circle w0.1: c6,14 r3.2
  circle w0.1: c6,14 r1.6
  lines w0.1: -0.24,3.2 6.76,3.2 ; -0.24,117 6.76,117 ; 2.56,14 9.56,14 ; 2.56,89 9.56,89 ; 3.2,-0.8 3.2,7.2 ; 3.2,113 3.2,121 ; 6,10 6,18 ; 6,85 6,93 ; 6.44,88.06 6.44,96.06 ; 74.44,14 81.44,14 ; 74.44,89 81.44,89 ; 77.36,3.2 84.36,3.2 ; 77.36,117 84.36,117 ; 78,10 78,18 ; 78,85 78,93 ; 80.8,-0.8 80.8,7.2 ; 80.8,113 80.8,121
  lines w0.25: 0,119.9 0,120 ; 74.7,120 cw(c68.1,143.744) 61.5,120 0,120 ; 74.8,120 84,120 84,0 0,0 0,120
  text "Mechanical Characteristics" at -3.25,126.4 h5
  text "D 3.2mm" at 70.1,116.1 h2
  text "D 3.2mm" at 0.9,111.8 h2
  text "D 3.2mm" at 81.8,90.3 h2
  text "D 3.2mm" at -3,85.75 h2
  text "D 3.2mm" at 10.5,15.3 h2
  text "D 3.2mm" at 68.1,15 h2
  text "D 3.2mm" at 75.5,7.6 h2
  text "D 3.2mm" at 7.4,3.4 h2
Assembly_top:
  text "Assembly TOP" at -3.622,126.739 h5
Assembly_bot:
  text "Assembly Bottom" at 33.378,126.739 h5
Note_top:
  text "Note TOP" at -3.622,126.739 h5
Note_bot:
  text "Note Bottom" at 33.278,126.839 h5
PCB_Note:
  drawing of 267 lines, arcs and shapes, not listed
  text "PCB Note" at 119.5,126 h5
  text "Plugged vias 0.3mm." at 122.2,120.8 h3.5
  text "Impedance control:" at 122.4,117.1 h3.5
  text "- ETHRX, ETHTX Bottom 100ohm +/-10% differential signal" at 124.5,113.75 h3
  text "- USB1, USB2, USB_OTG Bottom 90ohm +/-10% differential signal" at 124.5,110.75 h3
  text "File Layer names:" at 180.71,95.19 h3.5
  text "GTO" at 182.71,91.69 h3
  text "Top Overlay" at 191.71,91.69 h3
  text "GTP" at 182.71,88.69 h3
  text "Top Paste" at 191.71,88.69 h3
  text "GTS" at 182.71,85.69 h3
  text "Top Solder" at 191.71,85.69 h3
  text "GTL" at 182.71,82.69 h3
  text "Top Layer" at 191.71,82.69 h3
  text "G1" at 182.71,79.69 h3
  text "Inner" at 191.71,79.69 h3
  text "GP1" at 182.71,76.69 h3
  text "GND Plane" at 191.71,76.69 h3
  text "GBL" at 182.71,73.69 h3
  text "Bottom Layer" at 191.71,73.69 h3
  text "GBS" at 182.71,70.69 h3
  text "Bottom Solder" at 191.71,70.69 h3
  text "GBP" at 182.71,67.69 h3
  text "Bottom Paste" at 191.71,67.69 h3
  text "GBO" at 182.71,64.69 h3
  text "Bottom Overlay" at 191.71,64.69 h3
  text "GM1" at 182.71,58.69 h3
  text "Outline" at 191.71,58.69 h3
  text "GM7" at 182.71,55.69 h3
  text "PCB_Note" at 191.71,55.69 h3
  text "Layer" at 128.521,46.69 h2
  text "Name" at 137.54,46.69 h2
  text "Material" at 155.057,46.69 h2
  text "Thickness" at 170.71,46.69 h2
  text "Constant" at 182.831,46.69 h2
  text "Board Layer Stack" at 194.807,46.69 h2
  text "1" at 128.521,42.69 h2
  text "Top Overlay" at 137.54,42.69 h2
  text "2" at 128.521,38.69 h2
  text "Top Solder" at 137.54,38.69 h2
  text "Solder Resist" at 155.057,38.69 h2
  text "0,010mm" at 170.71,38.69 h2
  text "3,5" at 182.831,38.69 h2
  text "3" at 128.521,34.69 h2
  text "Top Layer" at 137.54,34.69 h2
  text "Copper" at 155.057,34.69 h2
  text "0,035mm" at 170.71,34.69 h2
  text "4" at 128.521,30.69 h2
  text "Dielectric1" at 137.54,30.69 h2
  text "2x7628" at 155.057,30.69 h2
  text "0,408mm" at 170.71,30.69 h2
  text "4,2" at 182.831,30.69 h2
  text "5" at 128.521,26.69 h2
  text "Inner" at 137.54,26.69 h2
  text "Copper" at 155.057,26.69 h2
  text "0,036mm" at 170.71,26.69 h2
  text "6" at 128.521,22.69 h2
  text "Dielectric2" at 137.54,22.69 h2
  text "FR-4" at 155.057,22.69 h2
  text "0,710mm" at 170.71,22.69 h2
  text "4,2" at 182.831,22.69 h2
  text "7" at 128.521,18.69 h2
  text "GND" at 137.54,18.69 h2
  text "Copper" at 155.057,18.69 h2
  text "0,036mm" at 170.71,18.69 h2
  text "8" at 128.521,14.69 h2
  text "Dielectric3" at 137.54,14.69 h2
  text "2x7628" at 155.057,14.69 h2
  text "0,408mm" at 170.71,14.69 h2
  text "4,2" at 182.831,14.69 h2
  text "9" at 128.521,10.69 h2
  text "Bottom Layer" at 137.54,10.69 h2
  text "Copper" at 155.057,10.69 h2
  text "0,035mm" at 170.71,10.69 h2
  text "10" at 128.521,6.69 h2
  text "Bottom Solder" at 137.54,6.69 h2
  text "Solder Resist" at 155.057,6.69 h2
  text "0,010mm" at 170.71,6.69 h2
  text "3,5" at 182.831,6.69 h2
  text "11" at 128.521,2.69 h2
  text "Bottom Overlay" at 137.54,2.69 h2
  text "Board Name" at 171.21,-16.81 h3
  text "EVA01 Evaluation Board" at 187.21,-16.81 h3
  text "Author" at 171.21,-19.81 h3
  text "Daniele Basile <asterix@develer.com>" at 187.21,-19.81 h3
  text "Date" at 171.21,-22.81 h3
  text "15/04/2016" at 187.21,-22.81 h3
  text "Revision" at 171.21,-25.81 h3
  text "C" at 187.21,-25.81 h3
  text "A4" at 229.71,-25.81 h3
Place_top:
  lines w0.2: 14,23.42 70,23.42 70,79.42 14,79.42 14,23.42
Drill Drawing:
  lines w0.4: 104.154,56.379 164.896,56.379 ; 104.154,104.543 164.896,104.543 ; 111.464,53.97 111.464,106.952 ; 120.202,53.97 120.202,106.952 ; 135.278,53.97 135.278,106.952 ; 141.706,53.97 141.706,106.952 ; 150.593,53.97 150.593,106.952 ; 104.154,53.97 164.896,53.97 164.896,106.952 104.154,106.952 104.154,53.97
  text "Symbol" at 105.599,105.266 h1.8
  text "Hit Count" at 112.187,105.266 h1.8
  text "Finished Hole Size" at 120.925,105.266 h1.8
  text "Plated" at 136,105.266 h1.8
  text "Hole Type" at 142.429,105.266 h1.8
  text "Physical Length" at 151.315,105.266 h1.8
  text "1" at 112.187,102.858 h1.5
  text "1,150mm (45,28mil)" at 120.925,102.858 h1.5
  text "NPTH" at 136,102.858 h1.5
  text "Round" at 142.429,102.858 h1.5
  text "-" at 151.315,102.858 h1.5
  text "S" at 105.068,102.604 h1.07
  text "1" at 112.187,100.449 h1.5
  text "1,150mm (45,28mil)" at 120.925,100.449 h1.5
  text "PTH" at 136,100.449 h1.5
  text "Round" at 142.429,100.449 h1.5
  text "-" at 151.315,100.449 h1.5
  text "R" at 105.068,100.196 h1.07
  text "2" at 112.187,98.041 h1.5
  text "0,900mm (35,43mil)" at 120.925,98.041 h1.5
  text "NPTH" at 136,98.041 h1.5
  text "Round" at 142.429,98.041 h1.5
  text "-" at 151.315,98.041 h1.5
  text "I" at 105.246,97.787 h1.07
  text "2" at 112.187,95.633 h1.5
  text "1,400mm (55,12mil)" at 120.925,95.633 h1.5
  text "PTH" at 136,95.633 h1.5
  text "Round" at 142.429,95.633 h1.5
  text "-" at 151.315,95.633 h1.5
  text "O" at 105.068,95.379 h1.07
  text "2" at 112.187,93.225 h1.5
  text "1,600mm (62,99mil)" at 120.925,93.225 h1.5
  text "PTH" at 136,93.225 h1.5
  text "Round" at 142.429,93.225 h1.5
  text "-" at 151.315,93.225 h1.5
  text "M" at 105.068,92.971 h1.07
  text "2" at 112.187,90.816 h1.5
  text "1,630mm (64,17mil)" at 120.925,90.816 h1.5
  text "PTH" at 136,90.816 h1.5
  text "Round" at 142.429,90.816 h1.5
  text "-" at 151.315,90.816 h1.5
  text "W" at 105.068,90.563 h1.07
  text "2" at 112.187,88.408 h1.5
  text "1,800mm (70,87mil)" at 120.925,88.408 h1.5
  text "PTH" at 136,88.408 h1.5
  text "Round" at 142.429,88.408 h1.5
  text "-" at 151.315,88.408 h1.5
  text "Q" at 105.068,88.154 h1.07
  text "2" at 112.187,86 h1.5
  text "3,250mm (127,95mil)" at 120.925,86 h1.5
  text "PTH" at 136,86 h1.5
  text "Round" at 142.429,86 h1.5
  text "-" at 151.315,86 h1.5
  text "V" at 105.068,85.746 h1.07
  text "3" at 112.187,83.592 h1.5
  text "0,800mm (31,50mil)" at 120.925,83.592 h1.5
  text "PTH" at 136,83.592 h1.5
  text "Slot" at 142.429,83.592 h1.5
  text "3,000mm (118,11mil)" at 151.315,83.592 h1.5
  text "T" at 105.068,83.338 h1.07
  text "4" at 112.187,81.184 h1.5
  text "0,250mm (9,84mil)" at 120.925,81.184 h1.5
  text "PTH" at 136,81.184 h1.5
  text "Round" at 142.429,81.184 h1.5
  text "-" at 151.315,81.184 h1.5
  text "Y" at 105.068,80.93 h1.07
  text "4" at 112.187,78.775 h1.5
  text "1,020mm (40,16mil)" at 120.925,78.775 h1.5
  text "PTH" at 136,78.775 h1.5
  text "Round" at 142.429,78.775 h1.5
  text "-" at 151.315,78.775 h1.5
  text "X" at 105.068,78.521 h1.07
  text "4" at 112.187,76.367 h1.5
  text "2,300mm (90,55mil)" at 120.925,76.367 h1.5
  text "PTH" at 136,76.367 h1.5
  text "Round" at 142.429,76.367 h1.5
  text "-" at 151.315,76.367 h1.5
  text "P" at 105.068,76.113 h1.07
  text "5" at 112.187,73.959 h1.5
  text "0,350mm (13,78mil)" at 120.925,73.959 h1.5
  text "PTH" at 136,73.959 h1.5
  text "Round" at 142.429,73.959 h1.5
  text "-" at 151.315,73.959 h1.5
  text "F" at 105.068,73.705 h1.07
  text "8" at 112.187,71.551 h1.5
  text "0,890mm (35,04mil)" at 120.925,71.551 h1.5
  text "PTH" at 136,71.551 h1.5
  text "Round" at 142.429,71.551 h1.5
  text "-" at 151.315,71.551 h1.5
  text "U" at 105.068,71.297 h1.07
  text "8" at 112.187,69.142 h1.5
  text "0,920mm (36,22mil)" at 120.925,69.142 h1.5
  text "PTH" at 136,69.142 h1.5
  text "Round" at 142.429,69.142 h1.5
  text "-" at 151.315,69.142 h1.5
  text "K" at 105.068,68.889 h1.07
  text "8" at 112.187,66.734 h1.5
  text "1,700mm (66,93mil)" at 120.925,66.734 h1.5
  text "PTH" at 136,66.734 h1.5
  text "Round" at 142.429,66.734 h1.5
  text "-" at 151.315,66.734 h1.5
  text "N" at 105.068,66.48 h1.07
  text "8" at 112.187,64.326 h1.5
  text "3,200mm (125,98mil)" at 120.925,64.326 h1.5
  text "PTH" at 136,64.326 h1.5
  text "Round" at 142.429,64.326 h1.5
  text "-" at 151.315,64.326 h1.5
  text "L" at 105.068,64.072 h1.07
  text "10" at 112.187,61.918 h1.5
  text "0,950mm (37,40mil)" at 120.925,61.918 h1.5
  text "PTH" at 136,61.918 h1.5
  text "Round" at 142.429,61.918 h1.5
  text "-" at 151.315,61.918 h1.5
  text "H" at 105.068,61.664 h1.07
  text "162" at 112.187,59.509 h1.5
  text "0,900mm (35,43mil)" at 120.925,59.509 h1.5
  text "PTH" at 136,59.509 h1.5
  text "Round" at 142.429,59.509 h1.5
  text "-" at 151.315,59.509 h1.5
  text "B" at 105.068,59.256 h1.07
  text "1214" at 112.187,57.101 h1.5
  text "0,300mm (11,81mil)" at 120.925,57.101 h1.5
  text "PTH" at 136,57.101 h1.5
  text "Round" at 142.429,57.101 h1.5
  text "-" at 151.315,57.101 h1.5
  text "G" at 105.068,56.847 h1.07
  text "1452 Total" at 112.187,54.693 h1.5
  text "Slot definitions :" at 105.599,53.007 h1.5
  text "Routed Path Length" at 117.116,53.007 h1.5
  text "= Calculated from tool start centre position to tool end centre position." at 130.465,53.007 h1.5
  text "Physical Length" at 117.116,52.044 h1.5
  text "= Routed Path Length + Tool Size = Slot length as defined in the PCB layout" at 127.951,52.044 h1.5

## Dimensions
73.75,88.27 to 76.29,83.19 on Drawing
10.23,90.79 to 5.17,83.19 on Drawing
5.17,19.69 to 5.17,83.19 on Drawing
7.71,83.19 to 76.29,83.19 on Drawing
7.71,83.19 to 10.25,88.27 on Drawing
-0.85,117 to -0.85,3.2 on Drawing
84,120 to 84,0 on Drawing
0,0 to 84,0 on Drawing
5.25,19.75 to 0,3.2 on Drawing
78,14 to 78,89 on Drawing
6,92.2 to 78,85.8 on Drawing
0,120 to 6,85.8 on Drawing

## Text inside footprints (layer, text, board x,y; h text height)
2: Top Overlay "develer" at 10.81,25.79 h4.4
C4: Top Overlay "+" at 9.3,14.925 h0.9 r270; Note_top "+" at 9.5,12.325 h2
C5: Assembly_bot "+" at 27.1,25.3 h1; Note_bot "+" at 27.35,24 h1; Note_bot "+" at 27.35,23.3 h1; Bottom Overlay "+" at 24.1,21.2 h1.3
D1: Assembly_bot "+" at 9.95,16.9 h2.5 r180; Assembly_bot "-" at 15.45,16.65 h2.5 r180; Bottom Overlay "~" at 10.95,9.15 h2.5; Bottom Overlay "~" at 16.45,8.9 h2.5; Bottom Overlay "+" at 9.95,16.9 h2.5 r180; Bottom Overlay "-" at 15.45,16.65 h2.5 r180
D2: Note_bot "K" at 9.95,20 h1 r180
D3: Assembly_top "K" at 66.7,116.125 h0.5 r270
D4: Assembly_top "K" at 69.2,116.125 h0.5 r270
D5: Assembly_top "K" at 71.45,116.125 h0.5 r270
D8: Assembly_top "K" at 64.2,116.125 h0.5 r270
D17: Assembly_top "K" at 73.95,116.125 h0.5 r270
DZ1: Note_top "K" at 22.75,13 h1
J1: Top Overlay "2" at 10.1,94.96 h1.6; Top Overlay "20" at 32.46,94.96 h1.6; Top Overlay "19" at 32.46,88.26 h1.6; Top Overlay "37" at 55.32,88.26 h1.6; Top Overlay "1" at 10.1,88.26 h1.6; Top Overlay "51" at 72.98,88.26 h1.6; Top Overlay "52" at 75.4,92.8 h1.6; Top Overlay "38" at 55.2,94.9 h1.6
J6: Note_top "-" at 42.98,10 h2
J7: Top Overlay "2" at 9.34,83.32 h1.6 r270; Top Overlay "38" at 9.34,38.1 h1.6 r270; Top Overlay "20" at 9.34,60.96 h1.6 r270; Top Overlay "19" at 2.64,60.96 h1.6 r270; Top Overlay "37" at 2.64,38.1 h1.6 r270; Top Overlay "1" at 2.64,83.32 h1.6 r270; Top Overlay "51" at 2.64,20.44 h1.6 r270; Top Overlay "52" at 10.2,20.1 h1.6 r270
J10: Top Overlay "2" at 49.4,107.2 h1.5; Top Overlay "1" at 46.2,107.2 h1.5; Top Overlay "3" at 45.2,100.5 h1.5
J16: Top Overlay "2" at 80.46,83.32 h1.6 r270; Top Overlay "38" at 80.46,38.1 h1.6 r270; Top Overlay "20" at 80.46,60.96 h1.6 r270; Top Overlay "19" at 73.76,60.96 h1.6 r270; Top Overlay "37" at 73.76,38.1 h1.6 r270; Top Overlay "1" at 73.76,83.32 h1.6 r270; Top Overlay "51" at 73.76,20.44 h1.6 r270; Top Overlay "52" at 80.46,20.44 h1.6 r270
U1: Top Overlay "develboard" at 24.11,77.39 h12; Top Overlay "1" at 63.1,35.6 h1.4; Top Overlay "42" at 62.9,67.6 h1.4; Top Overlay "43" at 58.1,73.6 h1.4 r270; Top Overlay "84" at 25.3,73.4 h1.4 r270; Top Overlay "127" at 25.5,30.5 h1.4 r270; Top Overlay "168" at 58.4,29.6 h1.4 r270; Top Overlay "126" at 19.3,34.8 h1.4; Top Overlay "85" at 19.9,67.5 h1.4; Assembly_top "1" at 60.1,32.92 h2 r270; Note_top "1" at 60.1,32.92 h2 r270
U28: Note_bot "1" at 47.8,60.1 h1 r90
?: Top Overlay "develer" at 67,99.4 h2.2
?: Bottom Overlay "develer" at 53.98,81.59 h4.4 r90
?: Bottom Solder "develer" at 83.3,53.7 h2.2 r90